# Altium PCB rev3.PcbDoc
Units mm, origin at the board's own origin, x right, y up, seen from the top; angles counter-clockwise.
Board outline 40 x 40 mm, 2 copper layers (Top Layer, Bottom Layer); 43 components, 24 nets, 174 pads, 25 vias.
Unrouted connection lines stored in the file: 39.
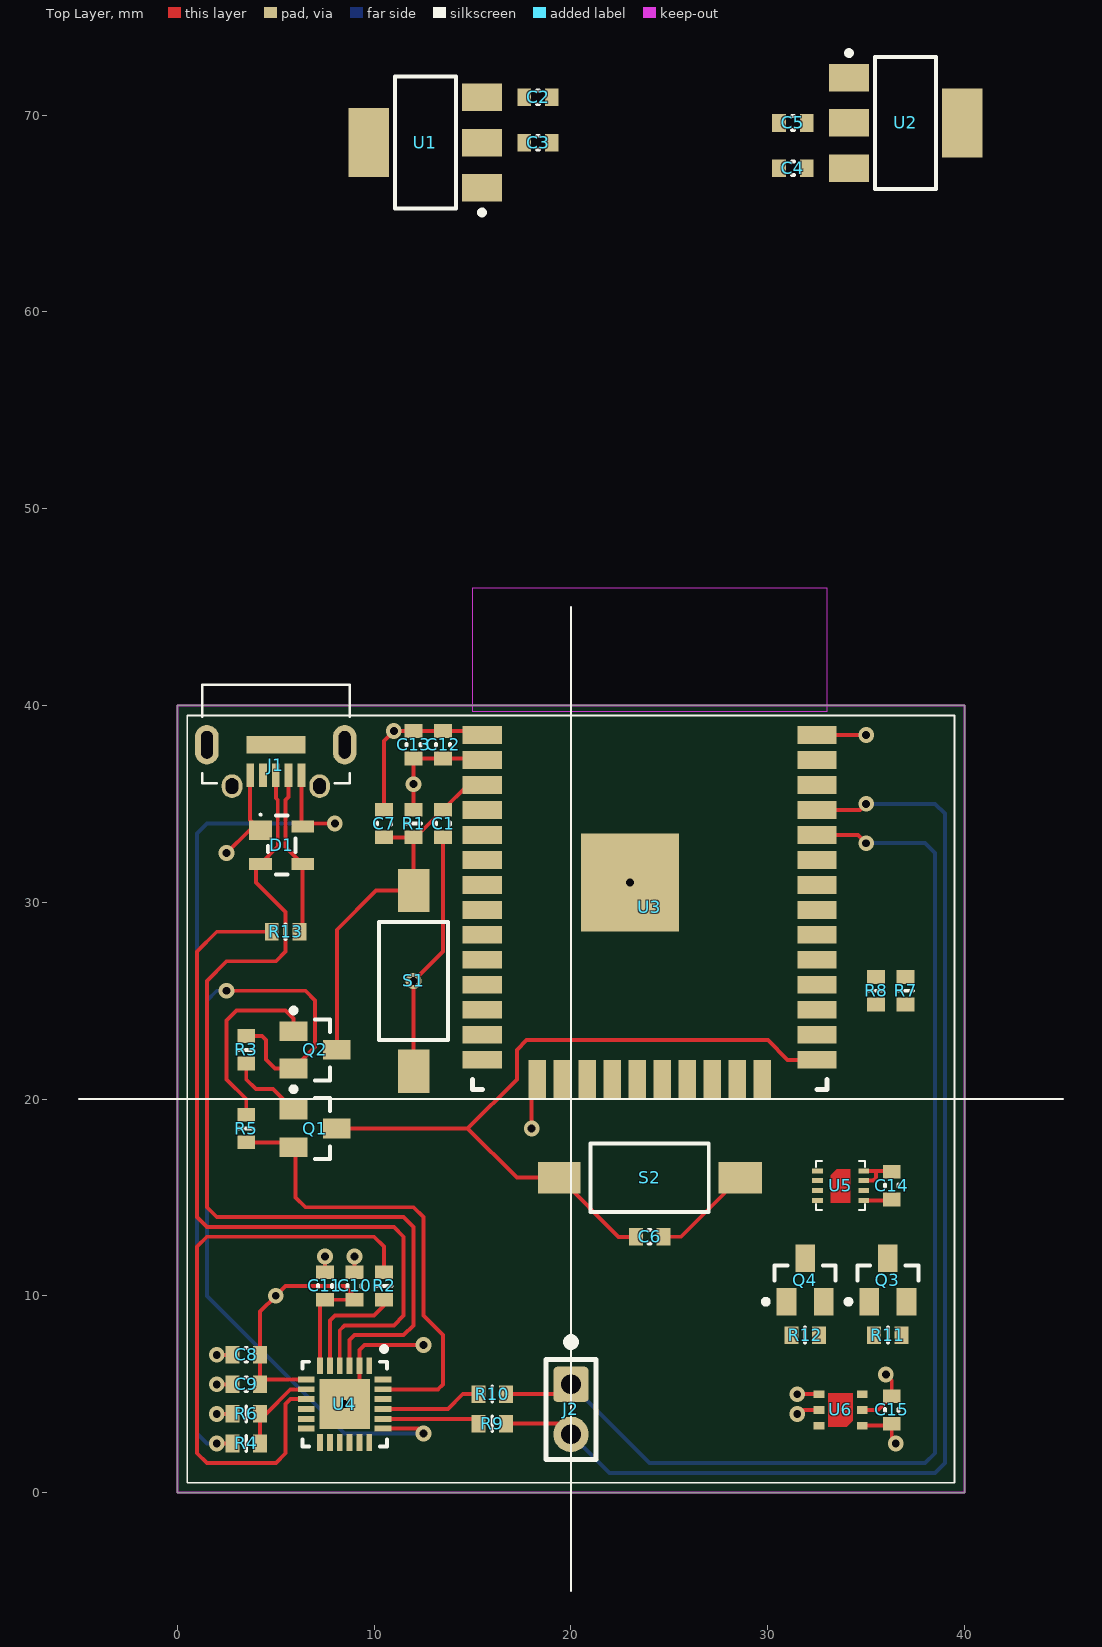
[diagram p0: Top Layer view]
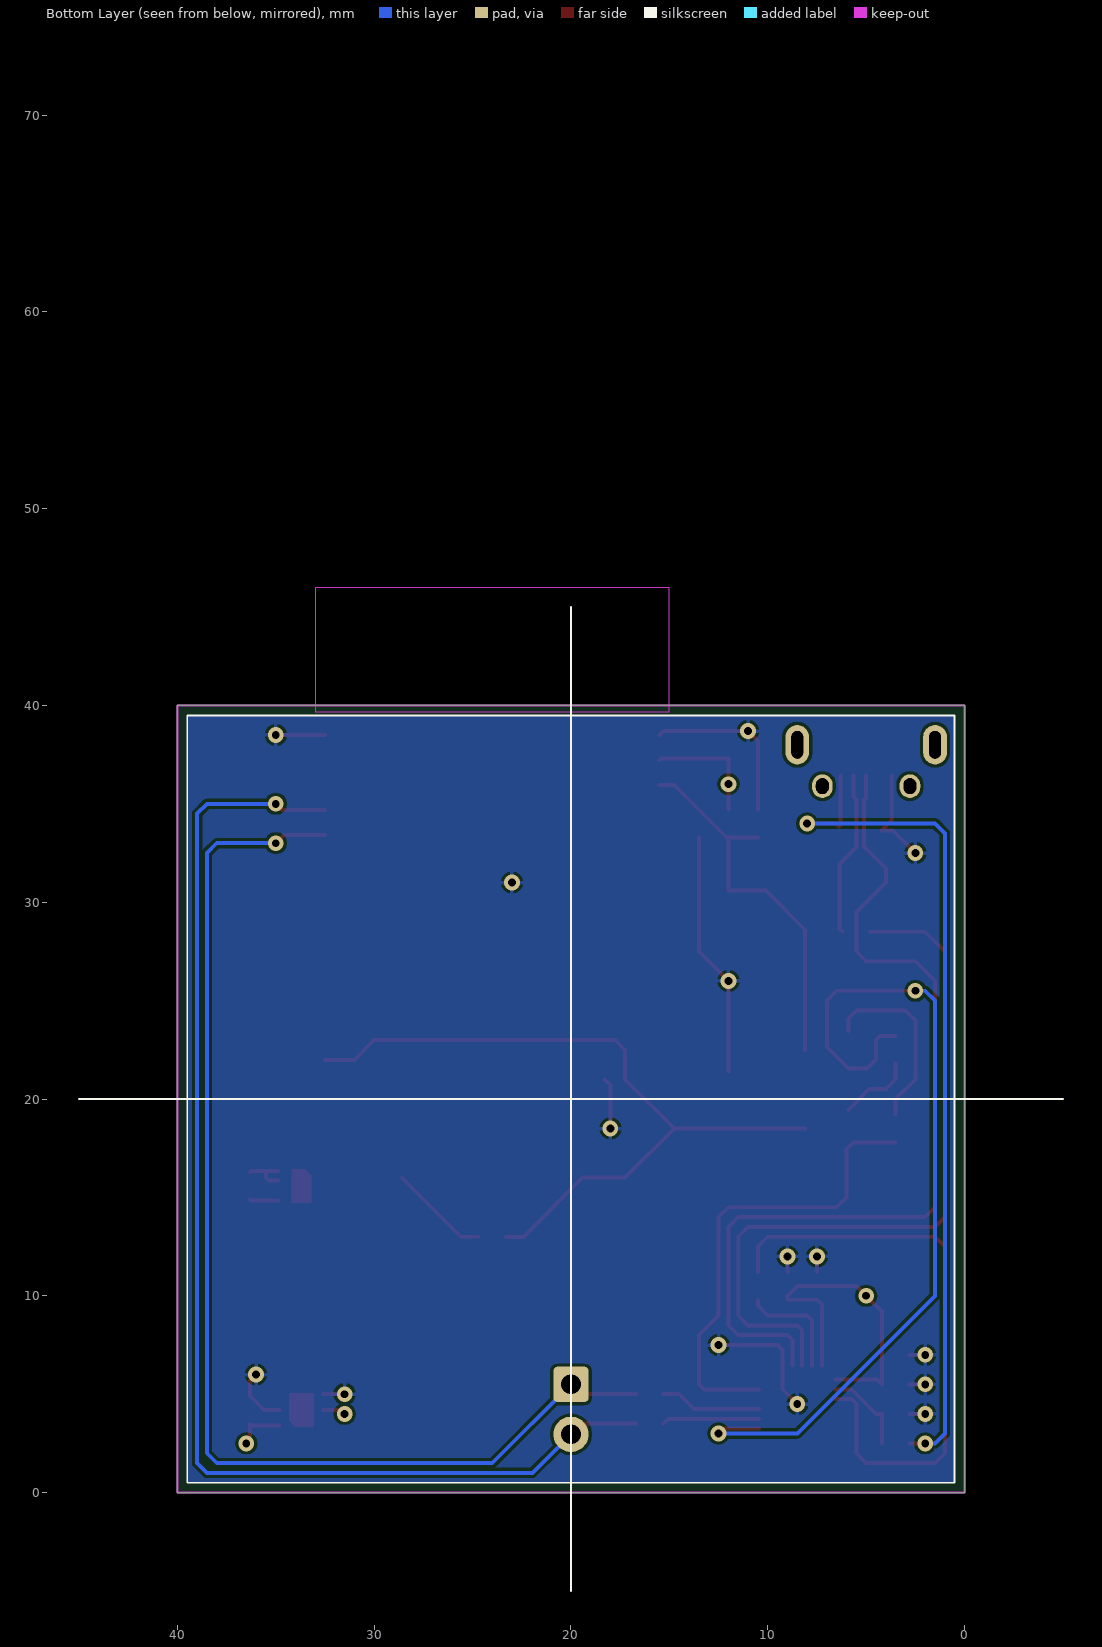
[diagram p1: Bottom Layer view, seen from below]

## Layer stack, top to bottom
Top Solder: solder mask 0.0102, Solder Resist, Dk 3.5
Top Layer: signal copper 0.0356
Dielectric 1: dielectric 0.32, FR-4, Dk 4.8
Bottom Layer: signal copper 0.0356
Bottom Solder: solder mask 0.0102, Solder Resist, Dk 3.5

## Board outline
0,0 40,0 40,40 0,40

## Design rules (kind name [scope] priority, off if disabled: settings)
BoardOutlineClearance [All] p1: gap=0.381 ignorepadtopadclearanceinfootprint=FALSE
Clearance [All] p1: gap=0.152 ignorepadtopadclearanceinfootprint=FALSE except(0: Arc-Hole Track-Hole SMDPad-Hole THPad-Hole Via-Hole Fill-Hole Poly-Hole Region-Hole Text-Hole)
ComponentClearance [All] p1: gap=0.025 collisioncheckmode=3 verticalgap=0.025 showdistances=FALSE
DiffPairsRouting [All] p1: maxlimit=10 minlimit=0.152 mostfreqgap=0.203 toplayer_minwidth=0.152 toplayer_maxwidth=0.381 toplayer_prefwidth=0.203 bottomlayer_minwidth=0.152 bottomlayer_maxwidth=0.381 bottomlayer_prefwidth=0.203 maxuncoupledlength=12.7
HoleSize [All] p1: absolutevalues=TRUE maxlimit=6.731 minlimit=0.33 maxpercent=80.000 minpercent=20.000
HoleToHoleClearance [All] p1: gap=0.254 allowstackedmicrovias=FALSE
MinimumAnnularRing [All] p1: minimumring=0.178
MinimumSolderMaskSliver [All] p1: minsoldermaskwidth=0
PlaneClearance [All] p1: clearance=0.254
PlaneConnect [All] p1: planeconnectstyle=Direct reliefexpansion=0.406 reliefentries=4 reliefconductorwidth=0.152 reliefairgap=0.152
PolygonConnect [All] p1: connectstyle=Relief reliefconductorwidth=0.203 reliefentries=4 polygonreliefangle="90 Angle" airgapwidth=0.152
RoutingCorners [All] p1: cornerstyle=45-Degree minsetback=1.25 maxsetback=1.25
RoutingVias [All] p1: holewidth=0.381 width=0.762 viastyle="Through Hole" minholewidth=0.33 minwidth=0.686 maxholewidth=2.54 maxwidth=2.896
SilkToSilkClearance [All] p1: silktosilkclearance=0
SilkToSolderMaskClearance [IsPad] p1: minsilkscreentomaskgap=0.152 clearancetoexposedcopper=TRUE
SolderMaskExpansion [All] p1: expansion=0.075
Width [All] p1: maxlimit=10.16 minlimit=0.152 preferedwidth=0.203
20 further rules are at their usual default settings.

## Components (designator, comment, footprint, x,y, rotation, side; value= is the part's Value field where it differs from the comment)
C1 "0.1uF" Capacitor_0603 13.5,34 r270 top
C2 "0.1uF" Capacitor_0603 18.325,70.9 r180 top
C3 "10uF" Capacitor_0603 18.325,68.6 r0 top
C4 "0.1uF" Capacitor_0603 31.275,67.3 r0 top
C5 "10uF" Capacitor_0603 31.275,69.6 r0 top
C6 "0.1uF" Capacitor_0603 24,13 r0 top
C7 "0.1uF" Capacitor_0603 10.5,34 r270 top
C8 "0.1uF" Capacitor_0603 3.5,7 r0 top
C9 "4.7uF" Capacitor_0603 3.5,5.5 r0 top
C10 "0.1uF" Capacitor_0603 9,10.5 r270 top
C11 "4.7uF" Capacitor_0603 7.5,10.5 r270 top
C12 "10uF" Capacitor_0603 13.5,38 r270 top
C13 "0.1uF" Capacitor_0603 12,38 r270 top
C14 "0.1uF" Capacitor_0603 36.3,15.6 r270 top
C15 "0.1uF" Capacitor_0603 36.3,4.2 r270 top
D1 "SP0503BAHT" SOT-143 5.3,32.9 r0 top
J1 "USB" CON_uUSB_DRILL 6.3,36.45 r270 top
J2 "Con_Gen_2Pos" "Pin Header 1x2 TH Pitch 2.54mm" 20,5.5 r270 top
Q1 "S8050-G" SOT-23-3 7,18.5 r0 top
Q2 "S8050-G" SOT-23-3 7,22.5 r0 top
Q3 "BSS138" SOT-23-3 36.1,10.8 r90 top
Q4 "BSS138" SOT-23-3 31.9,10.8 r90 top
R1 "10K" Resistor_0603 12,34 r90 top
R2 "xR" Resistor_0603 10.5,10.5 r270 top
R3 "xR" Resistor_0603 3.5,22.5 r90 top
R4 "xR" Resistor_0603 3.5,2.5 r0 top
R5 "xR" Resistor_0603 3.5,18.5 r270 top
R6 "xR" Resistor_0603 3.5,4 r180 top
R7 "10K" Resistor_0603 37,25.5 r90 top
R8 "10K" Resistor_0603 35.5,25.5 r90 top
R9 "0R" Resistor_0603 16,3.5 r0 top
R10 "0R" Resistor_0603 16,5 r0 top
R11 "10K" Resistor_0603 36.1,8 r180 top
R12 "10K" Resistor_0603 31.9,8 r180 top
R13 "0R" Resistor_0603 5.5,28.5 r180 top
S1 "FSMSMTR" FSMSMTR 12,26 r90 top
S2 "FSMSMTR" FSMSMTR 24,16 r180 top
U1 "LD1117S33TR" SOT-223 12.6,68.6 r180 top
U2 "LD1117S18TR" SOT-223 37,69.6 r0 top
U3 "ESP32-WROOM-32D" ESP_WROOM_32D 15,45.99 r0 top
U4 "CP2102N-A01-GQFN24R" SLAB-QFN-24-2550x2550TP_A_V 8.5,4.5 r270 top
U5 "SHT-30-DIS-B" SHT3x_8-VFDFN_Exposed_Pad 33.7,15.6 r0 top
U6 "SGP30-2.5K" SGP30-2.5k 33.7,4.2 r180 top

## Footprints (in the part's own frame and the unit in brackets; to place one, negate y for a bottom-side part, rotate by r counter-clockwise, add the part's x,y. Pads: shape width x height; smd on the part's side, far side on the other; paste and mask are expansions set on the pad)
Capacitor_0603 [mm] "Chip Capacitor, Body 1.6x0.8mm, Height 0.55mm, IPC High Density"
  rect 0.7x0.9 smd: 1(-0.7,0) 2(0.7,0)
  silkscreen extent -0.05,-0.35 0.05,0.35, body extent -0.8,-0.4 0.8,0.4, height 0.6
CON_uUSB_DRILL [mm] "MPN: UJ2-MIBH2-4-SMT"
  rect 1.2x0.4 smd: 1(0,0) 2(0,-0.65) 3(0,-1.3) 4(0,-1.95) 5(0,-2.6)
  oval 2x1.2 hole 0.6 slot 1.4 at 0 deg: SH(-1.55,2.2) SH(-1.55,-4.8)
  rect 0.9x3 smd: SH(-1.55,-1.3)
  oval 1.2x1.05 hole 0.65 slot 0.8 at 0 deg: SH(0.55,0.925) SH(0.55,-3.525)
  silkscreen extent -4.6,-5.05 0.4,2.45, body extent -4.57,-5.08 0.72,2.43, height 2.76
ESP_WROOM_32D [mm] "ESP32 SoM"
  rect 2x0.9 smd: 1(0.5,-7.49) 2(0.5,-8.76) 3(0.5,-10.03) 4(0.5,-11.3) 5(0.5,-12.57) 6(0.5,-13.84) 7(0.5,-15.11) 8(0.5,-16.38) 9(0.5,-17.65) 10(0.5,-18.92) 11(0.5,-20.19) 12(0.5,-21.46) 13(0.5,-22.73) 14(0.5,-24) 25(17.5,-24) 26(17.5,-22.73) 27(17.5,-21.46) 28(17.5,-20.19) 29(17.5,-18.92) 30(17.5,-17.65) 31(17.5,-16.38) 32(17.5,-15.11) 33(17.5,-13.84) 34(17.5,-12.57) 35(17.5,-11.3) 36(17.5,-10.03) 37(17.5,-8.76) 38(17.5,-7.49)
  rect 0.9x2 smd: 15(3.285,-25) 16(4.555,-25) 17(5.825,-25) 18(7.095,-25) 19(8.365,-25) 20(9.635,-25) 21(10.905,-25) 22(12.175,-25) 23(13.445,-25) 24(14.715,-25)
  rect 5x5 smd: 39(8,-14.99)
  Keep-Out Layer region: 0,0 18,0 18,-6.3 0,-6.3
  silkscreen extent 0,-25.5 18,-25, body extent 0,-25.5 18,0, height 2.91
FSMSMTR [mm] "SWITCH TACTILE SPST-NO 0.05A 24V"
  rect 2.2x1.6 smd: 1(-4.595,0)
  rect 2.18x1.6 smd: 2(4.595,0)
  silkscreen extent -3,-1.75 3,1.75, body extent -4.98,-1.75 4.98,1.75, height 4.4
"Pin Header 1x2 TH Pitch 2.54mm" [mm] "PinHeader 1x2 TH Pitch 2.54mm"
  rrect25% 1.8x1.8 hole 1: 1(0,0)
  round 1.8 hole 1: 2(2.54,0)
  silkscreen extent -2.3,-1.27 3.81,1.27, body extent -1.27,-1.27 3.81,1.27, height 9.5
Resistor_0603 [mm] "Chip Resistor, Body 1.6x0.8mm, IPC High Density"
  rect 0.7x0.9 smd: 1(-0.7,0) 2(0.7,0)
  silkscreen extent 0,-0.38 0,0.38, body extent -0.8,-0.4 0.8,0.4, height 0.41
SGP30-2.5k [mm] "6-pin DFN package: 2.45 x 2.45 x 0.9 mm"
  rect 0.55x0.4 smd: 1(-1.1,0.8) 2(-1.1,0) 3(-1.1,-0.8) 4(1.1,-0.8) 5(1.1,0) 6(1.1,0.8)
  Top Layer region: -0.625,-0.85 -0.625,0.55 -0.325,0.85 0.625,0.85 0.625,-0.85
  body extent -1.23,-1.22 1.23,1.23, height 0.9
SHT3x_8-VFDFN_Exposed_Pad [mm] "Sensirion SHT3x 8-DFN"
  rect 0.55x0.25 smd: 1(-1.175,0.75) 2(-1.175,0.25) 3(-1.175,-0.25) 4(-1.175,-0.75) 5(1.175,-0.75) 6(1.175,-0.25) 7(1.175,0.25) 8(1.175,0.75)
  Top Layer region: -0.5,0.537 -0.5,-0.863 0.5,-0.863 0.5,0.838 -0.2,0.838
  silkscreen extent -1.25,-1.25 1.25,1.25, body extent -1.26,-1.25 1.26,1.25, height 0.9
SLAB-QFN-24-2550x2550TP_A_V [mm] "QFN, 6-Leads, Body 4x4mm, Pitch 0.5mm, Thermal Pad 2.55x2.55mm"
  rect 0.85x0.3 smd: 1(-1.95,1.25) 2(-1.95,0.75) 3(-1.95,0.25) 4(-1.95,-0.25) 5(-1.95,-0.75) 6(-1.95,-1.25) 13(1.95,-1.25) 14(1.95,-0.75) 15(1.95,-0.25) 16(1.95,0.25) 17(1.95,0.75) 18(1.95,1.25)
  rect 0.3x0.85 smd: 7(-1.25,-1.95) 8(-0.75,-1.95) 9(-0.25,-1.95) 10(0.25,-1.95) 11(0.75,-1.95) 12(1.25,-1.95) 19(1.25,1.95) 20(0.75,1.95) 21(0.25,1.95) 22(-0.25,1.95) 23(-0.75,1.95) 24(-1.25,1.95)
  rect 2.55x2.55 smd: 25(0,0)
  silkscreen extent -2.92,-2.15 2.15,2.15, body extent -2,-2 2,2, height 0.8
SOT-23-3 [mm] "SOT23, 3-Leads, Body 3.12x1.5mm, Pitch 0.95mm"
  rect 1.4x1 smd: 1(-1.1,0.95) 2(-1.1,-0.95) 3(1.1,0)
  silkscreen extent -1.22,-1.55 0.75,2.12, body extent -1.35,-1.56 1.35,1.56, height 1.2
SOT-143 [mm]
  rect 1.15x1 smd: 1(-1.075,0.75)
  rect 1.15x0.6 smd: 2(-1.075,-0.95) 3(1.075,-0.95) 4(1.075,0.95)
  silkscreen extent -1.12,-1.5 0.7,1.6, body extent -1.18,-1.43 1.24,1.49, height 1
SOT-223 [mm]
  rect 2.05x1.4 smd: 1(-2.875,2.3) 2(-2.875,0) 3(-2.875,-2.3)
  rect 2.05x3.5 smd: 4(2.875,0)
  silkscreen extent -3,-3.35 1.55,3.67, body extent -3.37,-3.25 3.63,3.25, height 1.64

## Part data
C1 C2 C3 C4 C5 C6 C7 C8 C9 C10 C11 C12 C13 C14 C15: library part Capacitor, "Generic capacitor symbol", Capacitance=100nF, Case/Package=0603, Case Code (Metric)=1608, Dielectric=X7R, Manufacturer=Murata, Manufacturer Part Number=GCM188R71C104KA37D, Max Operating Temperature=125°C, Min Operating Temperature=-55°C, Package Quantity=4000, Ratings=AEC-Q200, Supplier Part Number 1=490-4774-1-ND, Tolerance=10%, Voltage=16V, Case Code (Imperial)=0603, Depth=0.8mm, Height=0.8mm, Lead Free="Lead Free", Length=1.6mm, Mount="Surface Mount", Packaging="Tape and Reel", Pricing 1="1=0.1, 10=0.076, 100=0.0341, 500=0.0243, 1000=0.0191 (USD)", Radiation Hardening=No, REACH SVHC="No SVHC", Stock 1=40000, Supplier 1=Digi-Key, Termination=SMD/SMT, Thickness=0.035inch, Voltage Rating=16V, Voltage Rating (DC)=16V, Width=0.031inch
D1: library part Diode_USB-TVS, "3 channel TVS diode - SP0503BAHT", Supplier Part Number 1=F2715CT-ND, Supplier 1=Digi-Key
J1: library part Con_USB_5pos+Shield, "USB 2.0 Connector, Shielded"
J2: "2 position connector"
Q1 Q2: library part NPN, "NPN Transistor 1.5A 40V SOT-23 R - S8050-G", Supplier Part Number 1=641-1790-1-ND, Supplier 1=Digi-Key
Q3 Q4: library part MFET_Nch, "MOSFET N-CH 50V 220MA SOT-23", Supplier Part Number 1=BSS138DKR-ND, Supplier 1=Digi-Key
R1 R2 R3 R4 R5 R6 R7 R8 R9 R10 R11 R12 R13: library part Resistor, "Generic resistor symbol"
S1 S2: library part Switch_2lead, "2 lead switch - FSMSMTR", Supplier Part Number 1=450-1758-1-ND, Supplier 1=Digi-Key
U1: library part LDO_3V3, "Fixed 3V3 output LDO LD1117S33TR", Supplier Part Number 1=497-1242-1-ND, Supplier 1=Digi-Key
U2: library part LDO_1V8, "Fixed 1V8 output LDO LD1117S18TR", Supplier Part Number 1=497-7308-1-ND, Supplier 1=Digi-Key
U3: library part ESP32_WROOM, "ESP32 Module", Supplier Part Number 1=356-ESP32WROOM-32D, Supplier 1=Mouser
U4: library part CP2102N-QFN24, "BRIDGE USB TO UART 24QFN", Supplier Part Number 1=336-4737-1-ND, Supplier 1=Digi-Key
U5: library part SHT-30, "SENSOR HUMID/TEMP 5V I2C 3% SMD", Supplier Part Number 1=1649-1009-1-ND, Supplier 1=Digi-Key
U6: library part SGP-30, "SENSOR AIR QUALITY 2V I2C SMD", Supplier Part Number 1=1649-1084-1-ND, Supplier 1=Digi-Key

## Via types
v1: diameter 0.8, hole 0.4, Top Layer to Bottom Layer, tented both sides, 23 vias
v2: diameter 0.8, hole 0.4, Top Layer to Bottom Layer, tented bottom, 2 vias

## Nets (pads, with @x,y where several pads share a name; then routed paths per layer and width w, separated by ;. In a path a pad name is that pad's centre, name@x,y a point inside that pad or via, vN(x,y) a via of type N, cw(c..) or ccw(c..) an arc to the next point about the centre after c; other vN are vias at no path point)
0V: C1.2 C2.1 C3.2 C4.1 C5.1 C6.2 C7.1 C8.1 C9.1 C10.1 C11.1 C12.1 C13.1 C14.1 C15.1 D1.1 J1.5 R6.2 S1.1 S2.1 U1.1 U2.1 U3.1 U3.15 U3.38 U3.39 U4.2 U4.25 U5.2 U5.7 U5.8 U6.2 U6.4 | length 53.8
  Top Layer w0.2: v1(2,4) R6.2 ; v1(2,5.5) C9.1 ; v1(2,7) C8.1 ; v1(2.5,32.5) 3.65,33.65 D1.1 3.7,34.175 J1.5 ; C11.1 v1(7.5,12) ; v2(8.5,4.5) 9.25,5.25 U4.2 9.25,7.25 9.5,7.5 v1(12.5,7.5) ; C10.1 v1(9,12) ; v1(11,38.7) C13.1 C12.1 15.3,38.7 U3.1 ; S1.1 v1(12,26) 13.5,27.5 C1.2 ; C6.2 25.595,13 S2.1 ; v1(31.5,5) U6.4 ; U3.38 v1(35,38.5) ; U6.2 35.6,4.2 C15.1 36.3,5.7 v1(36,6) ; U5.7 35.35,15.85 35.5,16 35.5,16.35 ; U5.8 35.5,16.35 ; C14.1 36.25,16.35 35.5,16.35
  Top Layer w0.203: C7.1 10.5,38.2 v1(11,38.7) ; v1(18,18.5) 18,20.705 U3.15
  other v2: 23,31
1V8: C5.2 C15.2 Q3.1 Q4.1 R11.2 R12.2 U2.2 U2.4 U6.1 U6.5 | length 3.8
  Top Layer w0.2: v1(31.5,4) 31.7,4.2 U6.5 ; U6.1 36.2,3.4 C15.2 36.3,2.7 v1(36.5,2.5)
3V3: C3.1 C4.2 C8.2 C9.2 C10.2 C11.2 C12.2 C13.2 C14.2 R1.2 R7.2 R8.2 U1.2 U1.4 U2.3 U3.2 U4.6 U4.7 U5.5 | length 24.4
  Top Layer w0.2: U4.7 4.45,5.75 C9.2 C8.2 4.2,9.2 v1(5,10) 5.5,10.5 8.5,10.5 9,10 C10.2 C11.2 7.25,9.55 U4.6 ; R1.2 v1(12,36) C13.2 C12.2 15.43,37.3 U3.2 ; U5.5 36.25,14.85 C14.2
5V: C2.2 D1.4 J1.1 R4.1 U1.3 | length 44
  Top Layer w0.2: v1(2,2.5) R4.1 ; J1.1 6.3,33.925 D1.4 6.525,34 v1(8,34)
  Bottom Layer w0.2: v1(2,2.5) 1.5,2.5 1,3 1,33.5 1.5,34 v1(8,34)
D+: D1.2 J1.3 U4.3 | length 47
  Top Layer w0.2: J1.3 5,35.3 5.1,35.2 5.1,32.825 D1.2 4,31.725 4,31 5.5,29.5 5.5,27.5 5,27 2.5,27 1.5,26 1.5,14.5 2,14 11.5,14 12,13.5 12,8.5 11.5,8 9,8 8.75,7.75 U4.3
D-: R13.2 U4.4 | length 38
  Top Layer w0.2: R13.2 2,28.5 1,27.5 1,14 1.5,13.5 11,13.5 11.5,13 11.5,9 11,8.5 8.5,8.5 8.25,8.25 U4.4
D\T\R\: Q1.2 R5.2 U4.23 | length 24.1
  Top Layer w0.2: R5.2 5.65,17.8 Q1.2 6,17.45 6,15 6.5,14.5 12,14.5 12.5,14 12.5,9 13.5,8 13.5,5.5 13.25,5.25 U4.23
ESP_EN: C1.1 C7.2 Q2.3 R1.1 S1.2 U3.3 | length 19.6
  Top Layer w0.2: Q2.3 8.1,28.6 10.095,30.595 S1.2 R1.1 12.1,33.3 C1.1 14.76,35.96 U3.3
  Top Layer w0.203: C7.2 R1.1
ESP_IO0: C6.1 Q1.3 S2.2 U3.25 | length 38.4
  Top Layer w0.203: Q1.3 14.75,18.5 ; C6.1 22.405,13 S2.2 17.25,16 14.75,18.5 ; U3.25 31.01,21.99 30,23 17.75,23 17.25,22.5 17.25,21 14.75,18.5
ESP_RX: R10.1 U4.21 | length 5.2
  Top Layer w0.203: U4.21 13.75,4.25 14.5,5 R10.1
ESP_TX: R9.1 U4.20 | length 5
  Top Layer w0.203: U4.20 15.05,3.75 R9.1
NetD1_3: D1.3 J1.2 R13.1 | length 8.4
  Top Layer w0.2: J1.2 5.65,35.35 5.5,35.2 5.5,32.8 6.35,31.95 6.35,28.65 R13.1
NetJ2_1: J2.1 R10.2 U3.34 | length 60.8
  Top Layer w0.2: U3.34 34.58,33.42 v1(35,33)
  Top Layer w0.203: R10.2 19.5,5 J2.1
  Bottom Layer w0.2: J2.1 24,1.5 38,1.5 38.5,2 38.5,32.5 38,33 v1(35,33)
NetJ2_2: J2.2 R9.2 U3.35 | length 63.4
  Top Layer w0.2: U3.35 34.69,34.69 v1(35,35)
  Top Layer w0.203: R9.2 19.46,3.5 J2.2
  Bottom Layer w0.2: J2.2 21.96,1 38.5,1 39,1.5 39,34.5 38.5,35 v1(35,35)
NetQ1_1: Q1.1 R3.1 | length 3.8
  Top Layer w0.2: R3.1 3.5,21 4,20.5 4.85,20.5 Q1.1
NetQ2_1: Q2.1 R5.1 | length 9.6
  Top Layer w0.2: R5.1 3.5,20 2.5,21 2.5,24 3,24.5 5.5,24.5 5.9,24.1 Q2.1
NetQ3_2: Q3.2 R11.1 U6.6
NetQ4_2: Q4.2 R12.1 U6.3
NetR2_1: R2.1 U4.9 | length 30.3
  Top Layer w0.2: U4.9 5.75,4.75 5.5,4.5 5.5,2 5,1.5 1.5,1.5 1,2 1,12.5 1.5,13 10,13 10.5,12.5 R2.1
NetR2_2: R2.2 U4.5 | length 5.7
  Top Layer w0.2: U4.5 7.75,8.75 8,9 10,9 10.5,9.5 R2.2
NetR4_2: R4.2 R6.1 U4.8 | length 4.4
  Top Layer w0.2: R4.2 R6.1 4.5,4 5.75,5.25 U4.8
R\T\S\: Q2.2 R3.2 U4.19 | length 44.5
  Top Layer w0.2: v1(2.5,25.5) 6.5,25.5 7,25 7,22.65 Q2.2 4.95,21.55 4.5,22 4.5,23 4.3,23.2 R3.2 ; U4.19 12.25,3.25 v1(12.5,3)
  Bottom Layer w0.2: v1(2.5,25.5) 2,25.5 1.5,25 1.5,10 8.5,3 v1(12.5,3)
SCL: Q3.3 R8.1 U3.27 U5.4
SDA: Q4.3 R7.1 U3.28 U5.1
pads on no net: J1.4 J1.SH U3.4 U3.5 U3.6 U3.7 U3.8 U3.9 U3.10 U3.11 U3.12 U3.13 U3.14 U3.16 U3.17 U3.18 U3.19 U3.20 U3.21 U3.22 U3.23 U3.24 U3.26 U3.29 U3.30 U3.31 U3.32 U3.33 U3.36 U3.37 U4.1 U4.10 U4.11 U4.12 U4.13 U4.14 U4.15 U4.16 U4.17 U4.18 U4.22 U4.24 U5.3 U5.6

## Polygon pours and split planes (outlines as drawn)
0V on Bottom Layer "0V" (solid, remove dead copper, pour order 0): 0.5,39.5 0.5,0.5 39.5,0.5 39.5,39.5

## Keep-outs
Keep-Out Layer:
  the board outline again, w0.1

## Silkscreen, mask and mechanical layers (free items; w line width, h text height)
Top Overlay:
  lines w0.1: -5,20 45,20 ; 20,-5 20,45 ; 0.5,0.5 39.5,0.5 39.5,39.5 0.5,39.5 0.5,0.5
Bottom Overlay:
  lines w0.1: -5,20 45,20 ; 20,-5 20,45 ; 0.5,0.5 39.5,0.5 39.5,39.5 0.5,39.5 0.5,0.5